# Altium PCB T1_Card.PcbDoc (part 4 of 6) (continued)
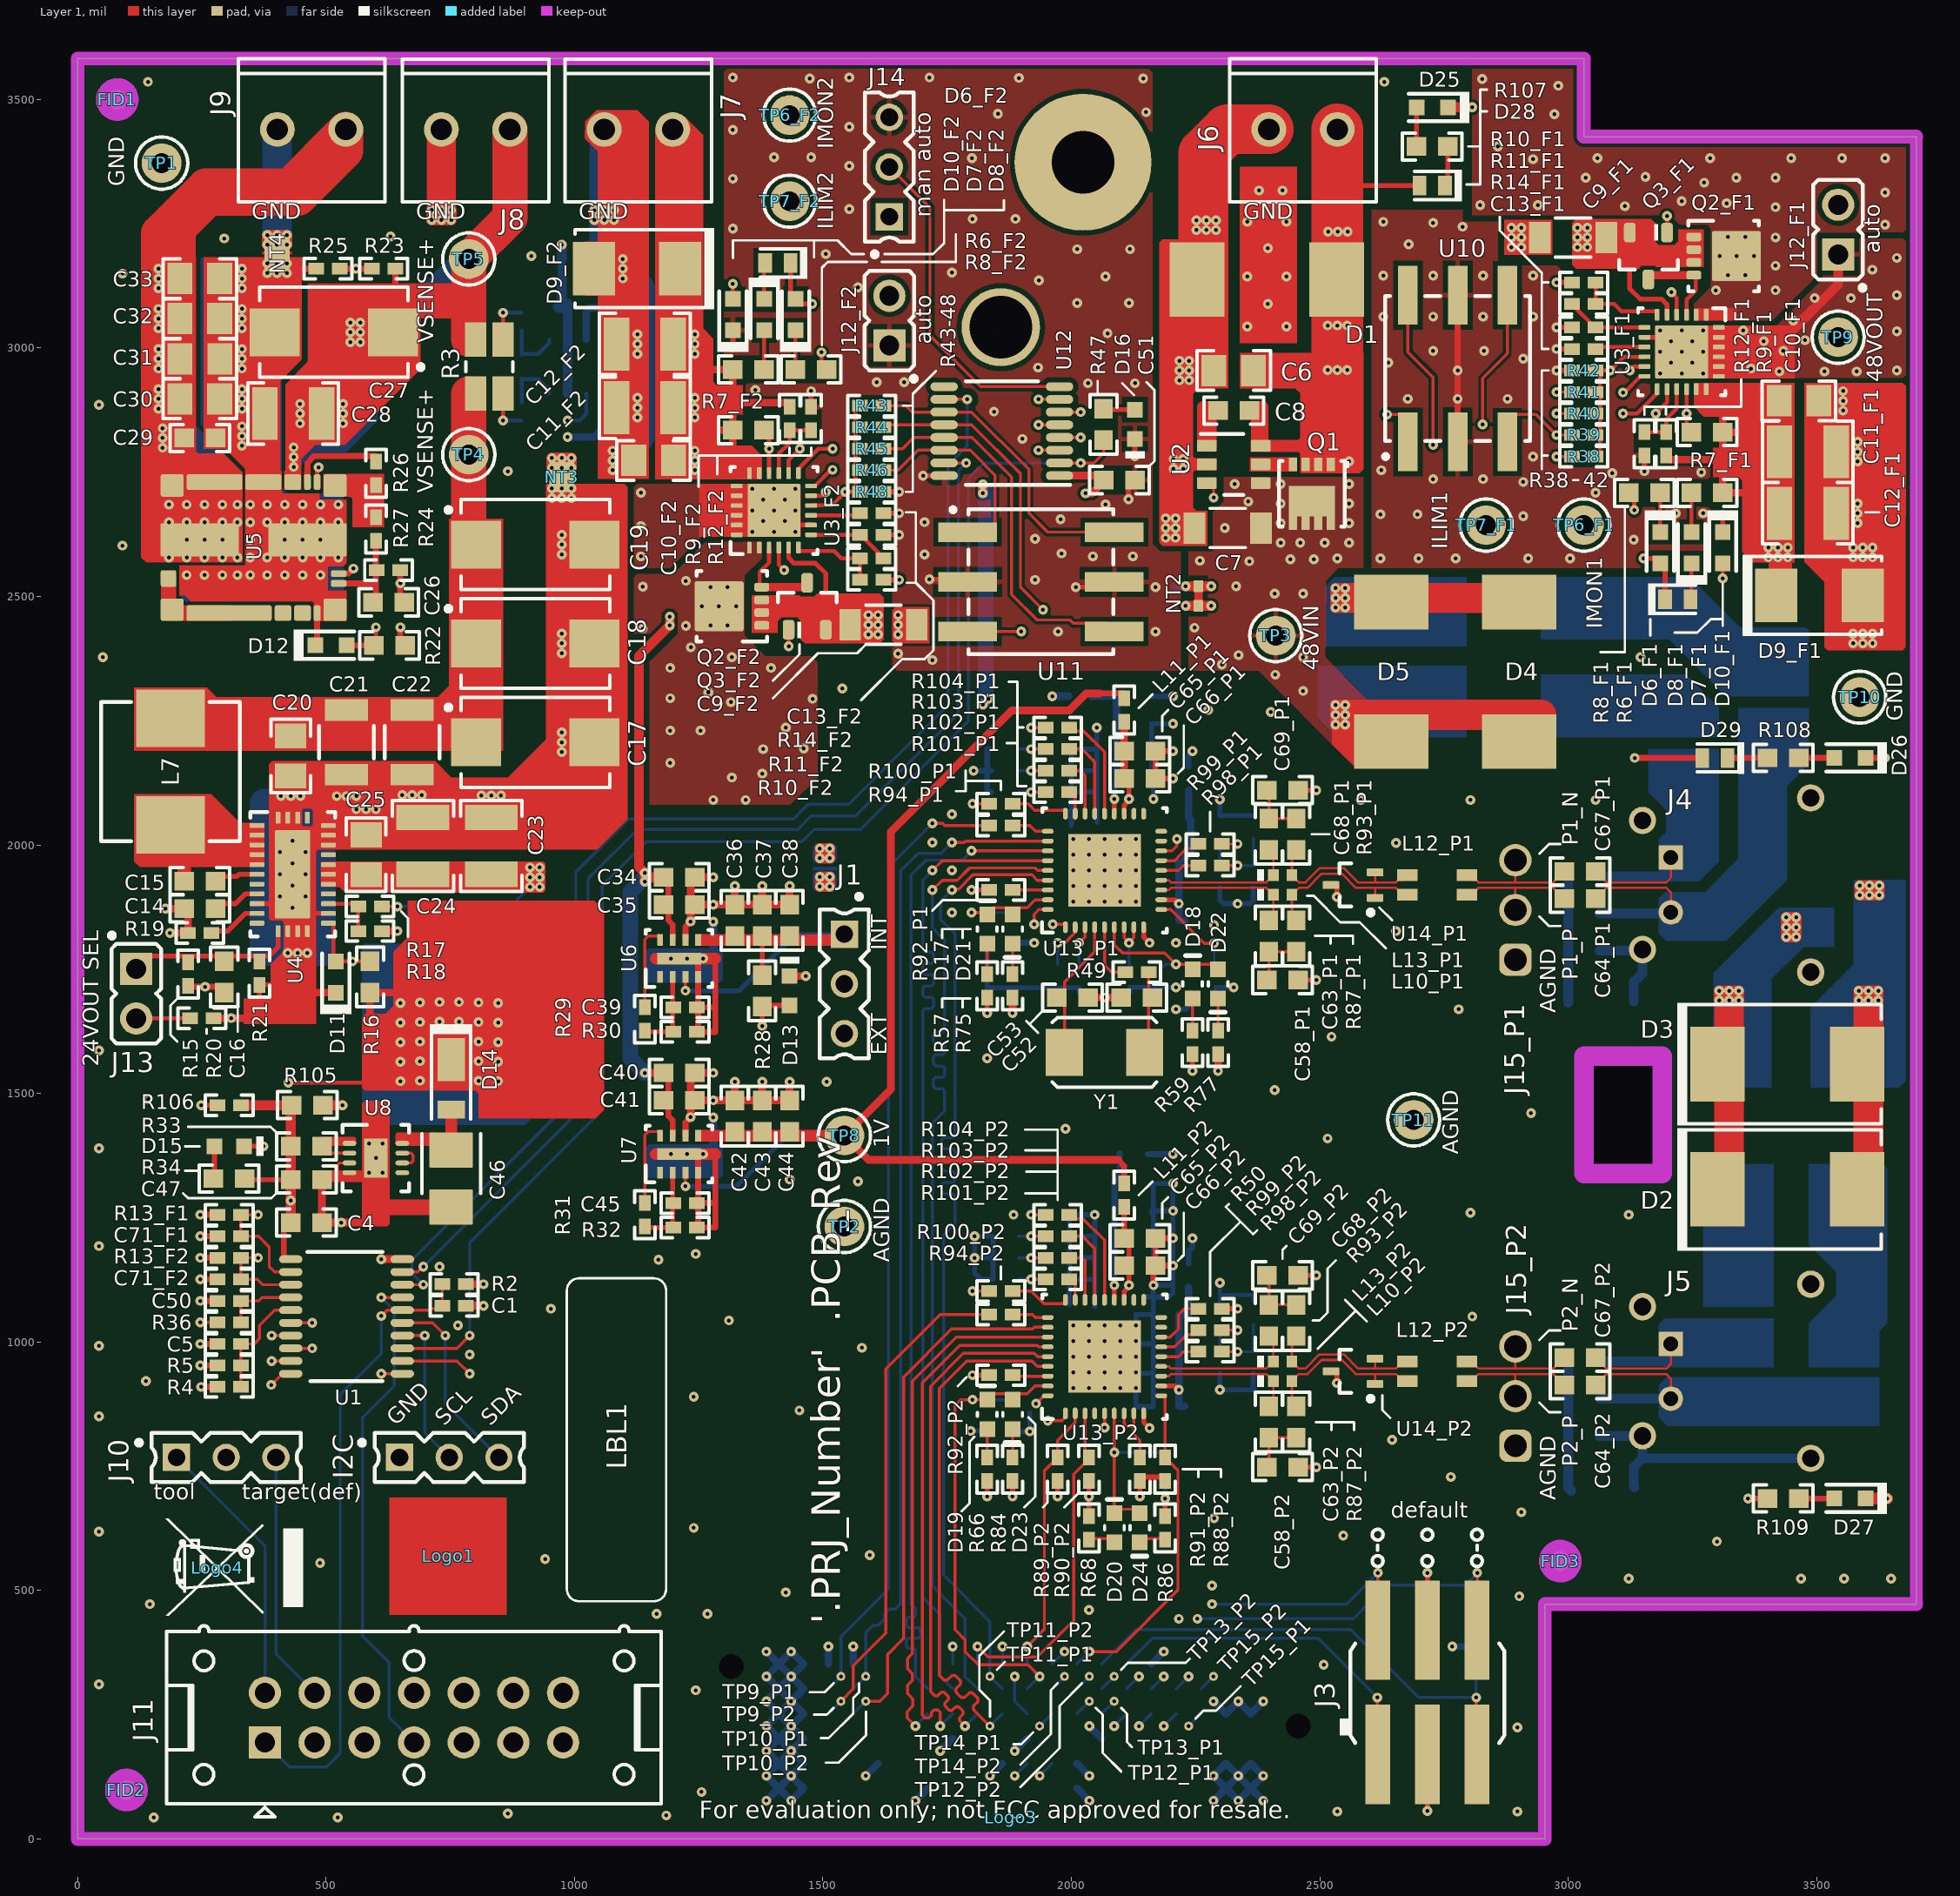
[diagram p0: Layer 1 view]
## Nets (pads, with @x,y where several pads share a name; then routed paths per layer and width w, separated by ;. In a path a pad name is that pad's centre, name@x,y a point inside that pad or via, vN(x,y) a via of type N, cw(c..) or ccw(c..) an arc to the next point about the centre after c; other vN are vias at no path point) (continued)
  Layer 3 w6: v1(1934.06,2845.47) 1935.04,2846.46 v1(2827.76,2846.46) 2954.72,2846.46 v1(2976.38,2868.11)
I1_4: R41.1 U10.1 U12.6 | length 1149.1
  Layer 1 w6: U12.6@1976.38,2871.06 v1(2018.7,2871.06) ; v1(2635.83,2866.14) 2677.56,2866.14 U10.1@2677.56,2811.02 ; v1(2976.38,2911.42) R41.1@3007.87,2911.42
  Layer 3 w6: v1(2018.7,2871.06) 2040.35,2871.06 2045.28,2866.14 v1(2635.83,2866.14) 2931.1,2866.14 v1(2976.38,2911.42)
I1_5: R43.1 U11.8 U12.11 | length 621.8
  Layer 1 w6: R43.1@1622.05,2883.86 1667.32,2883.86 1680.12,2871.06 U12.11@1744.09,2871.06 1799.21,2871.06 1914.37,2755.91 1914.37,2667.32 1952.17,2629.53 U11.8@2086.61,2629.53
I1_6: R44.1 U11.4 U12.12 | length 780.8
  Layer 1 w6: R44.1@1622.05,2840.55 1626.97,2845.47 U12.12@1744.09,2845.47 1799.21,2845.47 1897.64,2747.05 1897.64,2518.9 v1(1943.11,2473.43) ; U11.4@1791.34,2429.53 v1(1899.21,2429.53)
  Layer 3 w6: v1(1899.21,2429.53) v1(1943.11,2473.43)
I1_7: R45.1 U11.2 U12.13 | length 774
  Layer 1 w6: R45.1@1622.05,2797.24 1660.43,2797.24 1683.07,2819.88 U12.13@1744.09,2819.88 1800.2,2819.88 1879.92,2740.16 1879.92,2503.94 1931.1,2452.76 1997.05,2452.76 2003.94,2445.87 2070.28,2445.87 U11.2@2086.61,2429.53
I1_8: R46.1 U11.1 U12.14 | length 431.6
  Layer 1 w6: R46.1@1622.05,2753.94 1651.57,2753.94 1691.93,2794.29 U12.14@1744.09,2794.29 1796.26,2794.29 1846.46,2744.09 1846.46,2638.78 1831.69,2638.78 1831.69,2629.53 U11.1@1791.34,2629.53
I2C_SCL0: I2C.2 J2.50 U1.14 | length 2029.8
  Layer 1 w6: U1.14@653.54,1012.8 v1(698.82,1012.8)
  Layer 3 w4.55: I2C.2@748.03,767.72 804.84,710.91 1370.79,710.91 1468.5,613.19 1468.5,267.75 1545.3,190.94 1635.86,190.94 1733.3,93.5 1902.72,93.5 v1(1936.22,127)
  Layer 6 w6: v1(698.82,1012.8) 698.82,816.93 I2C.2@748.03,767.72 ; v1(1936.22,127) J2.50@1961.22,152
I2C_SDA0: I2C.3 J2.56 U1.15 | length 1946.2
  Layer 1 w6: U1.15@653.54,1038.39 714.57,1038.39 v1(740.16,1012.8)
  Layer 3 w4.55: I2C.3@848.03,767.72 894.29,721.46 1376.94,721.46 1480.32,618.08 1480.32,272.64 1550.2,202.76 1640.75,202.76 1738.19,105.32 1864.54,105.32 v1(1886.22,127)
  Layer 6 w6: v1(740.16,1012.8) 740.16,875.59 I2C.3@848.03,767.72 ; v1(1886.22,127) J2.56@1911.22,152
ILIM1: R38.2 R39.2 R40.2 R41.2 R42.2 TP7_F1.1 U3_F1.10 | length 743.4
  Layer 1 w8: R38.2@3055.12,2781.5 3063.98,2781.5 3063.98,2868.11 R42.2@3063.98,2954.72 ; R42.2@3055.12,2954.72 R42.2@3063.98,2954.72 ; U3_F1.10@3153.54,2982.28 3112.2,2982.28 v1(3084.65,2954.72) R42.2@3063.98,2954.72
  Layer 3 w6: TP7_F1.1@2834.65,2643.7 2874.02,2683.07 2937.01,2683.07 3046.26,2792.32 3046.26,2916.34 v1(3084.65,2954.72)
ILIM2: R43.2 R44.2 R45.2 R46.2 R48.2 TP7_F2.1 U3_F2.10 | length 923
  Layer 1 w8: U3_F2.10@1476.38,2683.07 1517.72,2683.07 v1(1545.28,2710.63) R48.2@1565.94,2710.63 ; R48.2@1574.8,2710.63 R48.2@1565.94,2710.63 ; R43.2@1574.8,2883.86 1565.94,2883.86 R48.2@1565.94,2710.63
  Layer 3 w8: TP7_F2.1@1433.07,3295.28 1545.28,3183.07 v1(1545.28,2710.63)
ILIM_GND: C13_F1.2 C13_F2.2 C51.2 D10_F1.1 D10_F2.1 D16.2 J12_F1.1 J12_F2.1 J14.3 NT2.1 R12_F1.1 R12_F2.1 R14_F1.1 R14_F2.1 R42.1 R48.1 U3_F1.8 U3_F1.19 U3_F1.20 U3_F1.21 U3_F1.22 U3_F1.23 U3_F1.24 U3_F1.25@3228.35,2992.13 U3_F2.8 U3_F2.19 U3_F2.20 U3_F2.21 U3_F2.22 U3_F2.23 U3_F2.24 U3_F2.25@1401.57,2673.23 U10.C1 U10.C2 U11.C1 U11.C2 U12.16 | length 1836.4
  Layer 1 w7.87: v1(3228.35,2992.13) v1(3250,2970.47) v1(3271.65,2948.82) 3277.56,2942.91 U3_F1.19@3303.15,2942.91 U3_F1.20@3303.15,2962.6 U3_F1.21@3303.15,2982.28 U3_F1.22@3303.15,3001.97 U3_F1.23@3303.15,3021.65 U3_F1.24@3303.15,3041.34 3277.56,3041.34 v1(3271.65,3035.43) v1(3250,3013.78) v1(3228.35,2992.13)
  Layer 1 w9.5: v1(1401.57,2673.23) 1431.1,2643.7 U3_F2.8@1476.38,2643.7 ; U3_F1.8@3153.54,3021.65 3198.82,3021.65 v1(3206.69,3013.78) v1(3228.35,2992.13)
  Layer 1 w9.84: v1(1701.77,2743.11) U12.16@1744.09,2743.11 ; v1(1714.57,2534.45) 1786.42,2534.45 U11.C1@1791.34,2529.53 ; v1(2008.86,2518.7) 2075.79,2518.7 U11.C2@2086.61,2529.53 ; v1(2127.95,2782.48) D16.2@2127.95,2816.93
  Layer 1 w10: v1(1318.9,3001.97) D10_F2.1@1318.9,3035.43 ; R12_F2.1@1476.38,2881.89 v1(1476.38,2913.39) ; R14_F2.1@1622.05,2624.02 v1(1653.54,2624.02) ; C13_F2.2@1622.05,2667.32 v1(1653.54,2667.32) ; R48.1@1622.05,2710.63 v1(1653.54,2710.63) ; v1(2976.38,2954.72) R42.1@3007.87,2954.72 ; v1(2976.38,2998.03) C13_F1.2@3007.87,2998.03 ; v1(2976.38,3041.34) R14_F1.1@3007.87,3041.34 ; v1(3153.54,2751.97) R12_F1.1@3153.54,2783.46 ; D10_F1.1@3311.02,2629.92 v1(3311.02,2663.39)
  Layer 1 w11.81: v1(2115.16,2695.87) 2115.16,2734.25 C51.2@2127.95,2734.25 ; U10.C1@2777.56,2811.02 v1(2777.56,2954.72) U10.C2@2777.56,3106.3
  Layer 1 w19.68: v1(2230.32,2520.67) NT2.1@2255.91,2520.67 v1(2281.5,2520.67) ; 3445.87,2989.17 3445.87,3030.51 3543.31,3127.95 J12_F1.1@3543.31,3188.19
  Layer 2 w15.75: 3480.31,3125.2 J12_F1.1@3543.31,3188.19 3543.31,3118.11
  Layer 6 w19.68: 2209.65,2520.67 v1(2230.32,2520.67)
  other v1: 1720.47,2372.05 1651.57,2384.84 1973.43,2429.13 2169.29,2429.13 2169.29,2518.7 1927.17,2533.46 2622.05,2576.77 2698.82,2576.77 2773.62,2576.77 2919.29,2576.77 3003.94,2576.77 1133.86,2580.71 2043.31,2580.71 2124.02,2580.71 1704.72,2584.65 1980.32,2586.61 3131.89,2614.17 1927.17,2616.14 1358.27,2629.92 1401.57,2629.92 1444.88,2629.92 1133.86,2641.73 1704.72,2649.61 1379.92,2651.57 1423.23,2651.57 1978.35,2655.51 2909.45,2661.42 2622.05,2665.35 2696.85,2665.35 3216.54,2667.32 3271.65,2667.32 1358.27,2673.23 1444.88,2673.23 2068.9,2685.04 1379.92,2694.88 1423.23,2694.88 1133.86,2708.66 3055.12,2708.66 1358.27,2716.54 1401.57,2716.54 1444.88,2716.54 2909.45,2730.31 2728.35,2736.22 2828.74,2736.22 3088.58,2748.03 3267.72,2750 2624.02,2753.94 2929.13,2781.5 1901.57,2816.93 1844.49,2872.05 2677.17,2897.64 2777.56,2897.64 2877.95,2897.64 1364.17,2915.35 2033.46,2929.13 2127.95,2929.13 1608.27,2931.1 1663.39,2931.1 3185.04,2948.82 3228.35,2948.82 3425.2,2952.76 3515.75,2952.76 3580.71,2952.76 3661.42,2954.72 3368.11,2958.66 1933.07,2960.63 2637.8,2970.47 3206.69,2970.47 2909.45,2978.35 3185.04,2992.13 3271.65,2992.13 2728.35,2994.09 2830.71,2994.09 3433.07,2994.09 3393.7,3013.78 3476.38,3015.75 2072.83,3029.53 3661.42,3033.46 3185.04,3035.43 3228.35,3035.43 3352.36,3035.43 2354.33,3043.31 2433.07,3043.31 3452.76,3055.12 2627.95,3062.99 2728.35,3062.99 2828.74,3062.99 2929.13,3062.99 2395.67,3088.58 2011.81,3090.55 2116.14,3090.55 3496.06,3100.39 3568.9,3100.39 3661.42,3106.3 1570.87,3122.05 1935.04,3135.83 2068.9,3143.7 2354.33,3143.7 2433.07,3143.7 2627.95,3145.67 2728.35,3145.67 2828.74,3145.67 2929.13,3145.67 1759.84,3151.57 3612.2,3157.48 3661.42,3181.1 1505.91,3188.98 2011.81,3198.82 2118.11,3198.82 2395.67,3200.79 2679.13,3208.66 1318.9,3240.16 2787.4,3244.09 2728.35,3251.97 2354.33,3253.94 2433.07,3253.94 2627.95,3253.94 1801.18,3259.84 1887.8,3259.84 1553.15,3279.53 2377.95,3316.93 2425.2,3316.93 1318.9,3340.55 1553.15,3366.14 1800.2,3381.89 1401.57,3383.86 1476.38,3383.86 1318.9,3438.98 1553.15,3444.88 1852.36,3471.46 2150.59,3474.41 2629.92,3535.43 1473.43,3542.32 2144.68,3542.32 1894.68,3543.31 1318.9,3544.29 1553.15,3544.29 1714.57,3544.29
IMON1: C71_F1.1 R13_F1.2 TP6_F1.1 U1.2 U3_F1.13 | length 4610.6
  Layer 1 w6: v1(363.19,1255.91) R13_F1.2@328.74,1255.91 C71_F1.1@328.74,1212.6 364.17,1212.6 385.83,1190.94 385.83,1151.57 396.65,1140.75 U1.2@429.13,1140.75
  Layer 1 w8: v1(3110.24,2868.11) 3138.78,2868.11 3179.13,2908.46 U3_F1.13@3179.13,2917.32
  Layer 3 w6: v1(363.19,1255.91) 324.8,1217.52 324.8,979.33 366.14,937.99 554.13,937.99 772.64,1156.5 902.56,1156.5 1092.52,1346.46 1092.52,1705.71 1198.82,1812.01 1198.82,1936.42 1279.13,2016.73 1522.64,2016.73 1867.13,2361.22 2258.86,2361.22 2379.92,2482.28 2457.68,2482.28 2484.25,2455.71 2843.5,2455.71 TP6_F1.1@3031.5,2643.7
  Layer 3 w8: TP6_F1.1@3031.5,2643.7 3110.24,2722.44 v1(3110.24,2868.11)
IMON2: C71_F2.1 R13_F2.2 TP6_F2.1 U1.3 U3_F2.13 | length 3397.6
  Layer 1 w5.91: v1(363.19,1169.29) R13_F2.2@328.74,1169.29 C71_F2.1@328.74,1125.98 361.75,1125.98 372.57,1115.16 U1.3@429.13,1115.16
  Layer 1 w8: U3_F2.13@1450.79,2748.03 1450.79,2756.89 1491.14,2797.24 v1(1519.69,2797.24)
  Layer 3 w6: v1(363.19,1169.29) 510.83,1169.29 579.72,1238.19 863.19,1238.19 1007.87,1382.87 1007.87,1743.11 1087.6,1822.83 1087.6,1986.22 1469.49,2368.11 1469.49,2747.05 v1(1519.69,2797.24)
  Layer 3 w8: TP6_F2.1@1433.07,3468.5 1368.11,3403.54 1368.11,3272.64 1519.69,3121.06 v1(1519.69,2797.24)
IN+: R3.4 R35.1 | length 86.6
  Layer 1 w8: v1(856.3,2854.33) 856.3,2904.53
  Layer 6 w8: v1(856.3,2854.33) R35.1@892.72,2854.33
IN-: R3.3 R37.1 | length 86.6
  Layer 1 w8: 856.3,3020.67 v1(856.3,3070.87)
  Layer 6 w8: v1(856.3,3070.87) R37.1@892.72,3070.87
INA_GND: C48.2 NT9.2 U9.2 | length 258.7
  Layer 6 w19.68: C48.2@966.54,3082.68 C48.2@968.5,3080.71 C48.2@986.02,3080.71 ; C48.2@974.41,3082.68 NT9.2@974.41,3139.76 ; C48.2@986.02,3089.57 C48.2@986.02,3080.71 ; U9.2@986.22,2908.46 986.22,3080.71 C48.2@986.02,3080.71
LM10500_SGNDa: C39.2 NT7a.2 R30.1 U6.4 U6.9 | length 469.1
  Layer 1 w12: U6.9@1212.6,1771.65 v1(1226.77,1771.65) 1249.02,1771.65 U6.4@1249.02,1734.25 C39.2@1249.02,1673.23 ; C39.2@1246.06,1673.23 C39.2@1249.02,1673.23 ; 1283.46,1771.65 1283.46,1673.23 ; C39.2@1249.02,1673.23 1249.02,1624.02 1283.46,1624.02 1283.46,1673.23 ; C39.2@1249.02,1673.23 1283.46,1673.23
  Layer 1 w23.62: 1163.39,1771.65 v1(1194.49,1771.65) ; U6.9@1249.02,1771.65 1283.46,1771.65
  other v1: 1258.86,1771.65
LM10500_SGNDb: C45.2 NT7b.2 R32.1 U7.4 U7.9 | length 485.2
  Layer 1 w12: U7.9@1212.6,1377.95 v1(1226.77,1377.95) 1249.02,1377.95 U7.4@1249.02,1340.55 C45.2@1249.02,1279.53 ; C45.2@1246.06,1279.53 C45.2@1249.02,1279.53 ; 1283.46,1377.95 1283.46,1279.53 ; C45.2@1249.02,1279.53 1249.02,1230.31 1283.46,1230.31 1283.46,1279.53 ; C45.2@1249.02,1279.53 1283.46,1279.53
  Layer 1 w23.62: 1163.39,1377.95 v1(1194.49,1377.95) U7.9@1210.63,1377.95 ; U7.9@1249.02,1377.95 v1(1258.86,1377.95) 1283.46,1377.95
LMZM33603_GND: C27.2 C28.2 C29.2 C30.2 C31.2 C32.2 C33.2 D12.1 NT4.2 R25.1 U5.5 U5.14 U5.15 U5.18 | length 1993.1
  Layer 1 w11.81: D12.1@482.28,2401.57 482.28,2445.87
  Layer 1 w12: 441.93,3159.45 R25.1@480.32,3159.45 ; 482.28,2445.87 U5.14@482.28,2466.54
  Layer 1 w21.65: v1(330.71,2803.15) v1(330.71,2822.83) v1(330.71,2842.52) ; v1(330.71,2877.95) v1(330.71,2897.64) v1(330.71,2917.32) ; v1(330.71,2958.66) v1(330.71,2978.35) v1(330.71,2998.03) ; v1(330.71,3039.37) v1(330.71,3059.06) v1(330.71,3078.74) ; v1(330.71,3120.08) v1(330.71,3139.76) v1(330.71,3159.45) ; v1(381.89,3150.59) v1(401.57,3150.59) v1(421.26,3150.59) v1(421.26,3170.28) v1(401.57,3170.28) v1(381.89,3170.28) v1(381.89,3150.59)
  Layer 2 w21.65: v1(330.71,2803.15) v1(330.71,2822.83) v1(330.71,2842.52) ; v1(330.71,2877.95) v1(330.71,2897.64) v1(330.71,2917.32) ; v1(330.71,2958.66) v1(330.71,2978.35) v1(330.71,2998.03) ; v1(330.71,3039.37) v1(330.71,3059.06) v1(330.71,3078.74) ; v1(330.71,3120.08) v1(330.71,3139.76) v1(330.71,3159.45) ; v1(381.89,3150.59) v1(381.89,3170.28) v1(401.57,3170.28) v1(421.26,3170.28) v1(421.26,3150.59) v1(401.57,3150.59) v1(381.89,3150.59)
  Layer 3 w21.65: v1(330.71,2803.15) v1(330.71,2822.83) v1(330.71,2842.52) ; v1(330.71,2877.95) v1(330.71,2897.64) v1(330.71,2917.32) ; v1(330.71,2958.66) v1(330.71,2978.35) v1(330.71,2998.03) ; v1(330.71,3039.37) v1(330.71,3059.06) v1(330.71,3078.74) ; v1(330.71,3120.08) v1(330.71,3139.76) v1(330.71,3159.45) ; v1(381.89,3150.59) v1(401.57,3150.59) v1(421.26,3150.59) v1(421.26,3170.28) v1(401.57,3170.28) v1(381.89,3170.28) v1(381.89,3150.59)
  Layer 4 w21.65: v1(330.71,2803.15) v1(330.71,2822.83) v1(330.71,2842.52) ; v1(330.71,2877.95) v1(330.71,2897.64) v1(330.71,2917.32) ; v1(330.71,2958.66) v1(330.71,2978.35) v1(330.71,2998.03) ; v1(330.71,3039.37) v1(330.71,3059.06) v1(330.71,3078.74) ; v1(330.71,3120.08) v1(330.71,3139.76) v1(330.71,3159.45) ; v1(381.89,3150.59) v1(401.57,3150.59) v1(421.26,3150.59) v1(421.26,3170.28) v1(401.57,3170.28) v1(381.89,3170.28) v1(381.89,3150.59)
  Layer 5 w21.65: v1(330.71,2803.15) v1(330.71,2822.83) v1(330.71,2842.52) ; v1(330.71,2877.95) v1(330.71,2897.64) v1(330.71,2917.32) ; v1(330.71,2958.66) v1(330.71,2978.35) v1(330.71,2998.03) ; v1(330.71,3039.37) v1(330.71,3059.06) v1(330.71,3078.74) ; v1(330.71,3120.08) v1(330.71,3139.76) v1(330.71,3159.45) ; v1(381.89,3150.59) v1(401.57,3150.59) v1(421.26,3150.59) v1(421.26,3170.28) v1(401.57,3170.28) v1(381.89,3170.28) v1(381.89,3150.59)
  Layer 6 w21.65: v1(330.71,2803.15) v1(330.71,2822.83) v1(330.71,2842.52) ; v1(330.71,2877.95) v1(330.71,2897.64) v1(330.71,2917.32) ; v1(330.71,2958.66) v1(330.71,2978.35) v1(330.71,2998.03) ; v1(330.71,3039.37) v1(330.71,3059.06) v1(330.71,3078.74) ; v1(330.71,3120.08) v1(330.71,3139.76) v1(330.71,3159.45) ; v1(381.89,3150.59) v1(381.89,3170.28) v1(401.57,3170.28) v1(421.26,3170.28) v1(421.26,3150.59) v1(401.57,3150.59) v1(381.89,3150.59)
  other v1: 417.32,2613.98 453.15,2613.98 488.98,2613.98
  other v2: 219.68,2543.11 255.51,2543.11 291.34,2543.11 321.85,2543.11 347.44,2543.11 381.5,2543.11 417.32,2543.11 453.15,2543.11 488.98,2543.11 347.44,2578.54 381.5,2578.54 417.32,2578.54 453.15,2578.54 488.98,2578.54 524.8,2578.54 347.44,2613.98 347.44,2649.41 381.5,2649.41 417.32,2649.41 453.15,2649.41 488.98,2649.41 524.8,2649.41 347.44,2684.84 381.5,2684.84 417.32,2684.84 453.15,2684.84 488.98,2684.84 524.8,2684.84
Local_1V: C42.1 C43.1 C44.1 L11_P1.1 L11_P2.1 TP8.1 U7.3 U7.5 | length 2554.5
  Layer 1 w6: v1(1223.43,1312.99) U7.3@1223.43,1340.55
  Layer 1 w11.81: 2057.09,2305.12 2106.3,2305.12 L11_P1.1@2106.3,2295.28 ; 2094.49,1366.14 2106.3,1354.33 L11_P2.1@2106.3,1318.9
  Layer 1 w15.75: 2057.09,2305.12 2030.51,2305.12 1996.06,2270.67 1880.91,2270.67 1636.81,2026.57 1636.81,1508.86 TP8.1@1543.31,1415.35 1592.52,1366.14 2094.49,1366.14
  Layer 1 w23.62: 1254.92,1415.35 C42.1@1322.83,1415.35 ; C42.1@1322.83,1423.23 C42.1@1322.83,1415.35 ; TP8.1@1543.31,1415.35 C42.1@1322.83,1415.35
  Layer 6 w9.84: v1(1223.43,1312.99) 1325.79,1312.99 1428.15,1415.35 TP8.1@1543.31,1415.35
Local_3V3: C36.1 C37.1 C38.1 J1.1 R28.2 U6.3 U6.5 | length 768.2
  Layer 1 w6: v1(1223.43,1706.69) U6.3@1223.43,1734.25
  Layer 1 w9.84: R28.2@1377.95,1738.19 C37.1@1377.95,1804.13
  Layer 1 w23.62: 1254.92,1809.06 C36.1@1322.83,1809.06 ; C36.1@1322.83,1816.93 C36.1@1322.83,1809.06 ; J1.1@1543.31,1820.47 1543.31,1809.06 C36.1@1322.83,1809.06
  Layer 6 w9.84: v1(1223.43,1706.69) 1331.69,1706.69 1445.47,1820.47 J1.1@1543.31,1820.47
Local_I: C50.1 R36.2 U1.4 | length 146.6
  Layer 1 w5.91: R36.2@328.74,1039.37 C50.1@328.74,1082.68 364.17,1082.68 371.06,1089.57 U1.4@429.13,1089.57
MSP_3V3: C4.1 C47.1 J10.2 R2.2 R33.1 R34.2 R105.2 R106.1 U1.1 | length 569.9
  Layer 1 w9.84: R34.2@336.61,1328.74 336.61,1326.77 C47.1@429.13,1326.77
  Layer 1 w11.81: U1.1@429.13,1166.34 415.35,1166.34 415.35,1240.16 C4.1@429.13,1240.16
  Layer 1 w15: R2.2@781.5,1116.14 v1(816.93,1116.14)
  Layer 1 w15.75: R105.2@429.13,1476.38 R105.2@431.1,1476.38
  Layer 1 w19.68: R106.1@328.74,1476.38 429.13,1476.38 R33.1@429.13,1393.7 C47.1@429.13,1326.77 C4.1@429.13,1240.16
  other v1: 429.13,1284.45
NetC5_1: C5.1 R4.1 R5.2 U1.5 | length 230.7
  Layer 1 w6: R4.1@328.74,909.45 R5.2@328.74,952.76 C5.1@328.74,996.06 355.31,996.06 366.14,1006.89 366.14,1033.46 396.65,1063.98 U1.5@429.13,1063.98
NetC8_1: C8.1 U2.1 | length 187
  Layer 1 w23.62: U2.1@2264.76,2803.15 2264.76,2880.91 2280.51,2880.91 2280.51,2803.15 U2.1@2272.64,2803.15 U2.1@2264.76,2803.15
NetC13_F1_1: C13_F1.1 U3_F1.9 | length 102.6
  Layer 1 w8: C13_F1.1@3055.12,2998.03 3055.12,3001.97 3111.7,3001.97 3111.86,3002.13 3153.54,3002.13 U3_F1.9@3153.54,3001.97
NetC13_F2_1: C13_F2.1 U3_F2.9 | length 102.6
  Layer 1 w8: U3_F2.9@1476.38,2663.39 1476.38,2663.23 1518.06,2663.23 1518.22,2663.39 1574.8,2663.39 C13_F2.1@1574.8,2667.32
NetC14_1: C14.1 U4.8 | length 95.9
  Layer 1 w9.84: C14.1@277.56,1872.05 287.4,1881.89 317.91,1881.89 337.6,1901.57 U4.8@361.22,1901.57
NetC15_1: C15.1 L7.1 U4.1 U4.2 U4.3 U4.4 U4.5 | length 124.6
  Layer 1 w27.56: L7.1@187.01,2040.35 214.57,2012.8 C15.1@214.57,1927.17
NetC15_2: C15.2 U4.6 | length 89.4
  Layer 1 w9.84: C15.2@277.56,1927.17 287.4,1937.01 320.87,1937.01 324.8,1940.94 U4.6@361.22,1940.94
NetC16_2: C16.2 J13.1 R15.1 R21.2 U4.12 | length 335.9
  Layer 1 w10: J13.1@118.11,1750.79 143.9,1776.57 385.83,1776.57 403.54,1794.29 U4.12@403.54,1826.77
NetC26_2: C26.2 R24.1 R27.2 U5.16 | length 204.7
  Layer 1 w11.81: 546.26,2526.38 600.39,2526.38
  Layer 1 w12: U5.16@525.59,2526.38 546.26,2526.38 ; C26.2@594.49,2488.19 600.39,2488.19 600.39,2526.38 R27.2@600.39,2612.2
NetC39_1: C39.1 R29.1 R30.2 U6.2 | length 169.3
  Layer 1 w9.84: R29.1@1141.73,1625.98 1141.73,1624.02 R30.2@1197.83,1624.02 ; U6.2@1197.83,1734.25 R30.2@1197.83,1624.02 ; R30.2@1198.82,1624.02 R30.2@1197.83,1624.02
NetC45_1: C45.1 R31.1 R32.2 U7.2 | length 169.3
  Layer 1 w9.84: R31.1@1141.73,1232.28 1141.73,1230.31 R32.2@1197.83,1230.31 ; U7.2@1197.83,1340.55 R32.2@1197.83,1230.31 ; R32.2@1198.82,1230.31 R32.2@1197.83,1230.31
NetC46_1: C46.1 D14.2 U8.8 | length 386.5
  Layer 1 w9.84: C46.1@751.97,1386.22 751.97,1408.46 C46.1@720.47,1408.46 ; U8.8@649.61,1399.61 649.61,1408.46 C46.1@720.47,1408.46 ; U8.8@649.61,1399.61 U8.8@653.54,1399.61 720.47,1399.61 C46.1@720.47,1408.46 ; U8.8@649.61,1399.61 644.68,1399.61 644.68,1416.34 720.47,1416.34 C46.1@720.47,1408.46
  Layer 1 w23.62: D14.2@751.97,1467.52 752.08,1467.52 C46.1@752.08,1399.61
NetC48_1: C48.1 R106.2 U9.5 | length 2156.2
  Layer 1 w10: v1(249.02,1476.38) R106.2@281.5,1476.38
  Layer 3 w12: v1(249.02,1476.38) 345.47,1572.83 345.47,1625.98 783.46,2063.98 783.46,2194.88 941.93,2353.35 941.93,2435.04 1025.59,2518.7 1025.59,2781.5 v1(986.22,2820.87)
  Layer 6 w15: v1(986.22,2820.87) 1040.35,2820.87 1082.68,2863.19 1082.68,3065.94 1067.91,3080.71 C48.1@1031.5,3080.71 1023.62,3072.83 U9.5@1023.62,3016.73
NetC49_1: C49.1 R35.2 U9.3 | length 121
  Layer 6 w8: R35.2@893.7,2889.76 C49.1@893.7,2938.98 895.67,2937.01 927.17,2937.01 948.82,2915.35 U9.3@948.82,2908.46
NetC49_2: C49.2 R37.2 U9.4 | length 121
  Layer 6 w8: R37.2@893.7,3035.43 C49.2@893.7,2986.22 895.67,2988.19 927.17,2988.19 948.82,3009.84 U9.4@948.82,3016.73
NetC53_1: C53.1 R49.2 Y1.2 | length 164.7
  Layer 1 w6: Y1.2@2147.64,1582.68 2155.51,1590.55 R49.2@2155.51,1744.09
NetC58_P1_2: C58_P1.2 C63_P1.1 R87_P1.2 | length 116.1
  Layer 1 w6: C58_P1.2@2393.7,1728.35 2397.64,1728.35 C63_P1.1@2397.64,1785.43 R87_P1.2@2452.76,1785.43
NetC58_P2_2: C58_P2.2 C63_P2.1 R87_P2.2 | length 118.1
  Layer 1 w6: C58_P2.2@2393.7,748.03 2397.64,748.03 C63_P2.1@2397.64,807.09 R87_P2.2@2452.76,807.09
NetC59_P1_1: C59_P1.1 C60_P1.1 C61_P1.1 C62_P1.1 L9_P1.2 U13_P1.11 | length 311
  Layer 1 w9.5: U13_P1.11@2181.1,1889.76 2208.66,1889.76 v1(2216.54,1881.89)
  Layer 6 w15: C60_P1.1@2216.54,1964.57 v1(2216.54,1881.89) 2216.54,1848.43 C62_P1.1@2228.35,1848.43 ; C60_P1.1@2228.35,1972.44 2240.16,1984.25 2240.16,2050.2 2236.22,2054.13 L9_P1.2@2236.22,2110.24
NetC59_P2_1: C59_P2.1 C60_P2.1 C61_P2.1 C62_P2.1 L9_P2.2 U13_P2.11 | length 310.3
  Layer 1 w9.5: U13_P2.11@2181.1,911.42 2208.66,911.42 v1(2216.54,903.54)
  Layer 6 w15: C62_P2.1@2228.35,870.08 2216.54,870.08 v1(2216.54,903.54) 2216.54,1055.12 C59_P2.1@2228.35,1055.12 2236.22,1055.12 L9_P2.2@2236.22,1110.24
NetC65_P1_1: C65_P1.1 C66_P1.1 L11_P1.2 U13_P1.9 U13_P1.21 | length 536.1
  Layer 1 w10: U13_P1.21@2106.3,2062.99 2106.3,2079.72 2116.14,2089.57 v1(2116.14,2092.52) 2116.14,2124.02 C66_P1.1@2106.3,2133.86 ; U13_P1.9@2145.67,1834.65 2145.67,1814.96 v1(2157.48,1803.15)
  Layer 1 w15: C66_P1.1@2106.3,2133.86 C65_P1.1@2106.3,2188.98 L11_P1.2@2106.3,2248.03
  Layer 3 w19.68: v1(2116.14,2092.52) 2157.48,2051.18 v1(2157.48,1803.15)
NetC65_P2_1: C65_P2.1 C66_P2.1 L11_P2.2 U13_P2.9 U13_P2.21 | length 527.9
  Layer 1 w9.84: U13_P2.21@2106.3,1084.65 2106.3,1101.38 2116.14,1111.22 v1(2116.14,1114.17) 2116.14,1203.74 C65_P2.1@2114.17,1205.71
  Layer 1 w10: U13_P2.9@2145.67,856.3 2145.67,838.58 v1(2157.48,826.77)
  Layer 1 w11.81: C65_P2.1@2106.3,1208.66 L11_P2.2@2106.3,1271.65
  Layer 3 w19.68: v1(2116.14,1114.17) 2157.48,1072.83 v1(2157.48,826.77)
NetC68_P1_2: C68_P1.2 C69_P1.1 R93_P1.1 | length 118.1
  Layer 1 w6: C69_P1.1@2393.7,2110.24 2397.64,2110.24 C68_P1.2@2397.64,2051.18 ; C68_P1.2@2397.64,2053.15 R93_P1.1@2452.76,2053.15
NetC68_P2_2: C68_P2.2 C69_P2.1 R93_P2.1 | length 118.1
  Layer 1 w6: C69_P2.1@2393.7,1133.86 2397.64,1133.86 C68_P2.2@2397.64,1074.8 R93_P2.1@2452.76,1074.8
NetC70_P1_1: C70_P1.1 R95_P1.1 R96_P1.1 R97_P1.2 | length 253.9
  Layer 6 w20: R97_P1.2@3000,1683.07 C70_P1.1@3000,1787.4 R96_P1.1@3000,1862.2 R95_P1.1@3000,1937.01
NetC70_P2_1: C70_P2.1 R95_P2.1 R96_P2.1 R97_P2.2 | length 262.3
  Layer 6 w20: R95_P2.1@3000,960.63 R96_P2.1@3000,885.83 C70_P2.1@3000,811.02 3000,706.69 R97_P2.2@3005.91,700.79
NetD6_F1_2: D6_F1.2 D7_F1.1 | length 73.7
  Layer 1 w8: D6_F1.2@3246.06,2494.09 3248.03,2496.06 D7_F1.1@3248.03,2566.93
NetD6_F2_2: D6_F2.2 D7_F2.1 | length 70.9
  Layer 1 w8: D7_F2.1@1381.89,3098.43 D6_F2.2@1381.89,3169.29
NetD7_F1_2: D7_F1.2 R6_F1.2 | length 78.7
  Layer 1 w8: D7_F1.2@3248.03,2629.92 R6_F1.2@3248.03,2708.66
NetD7_F2_2: D7_F2.2 R6_F2.2 | length 78.7
  Layer 1 w8: R6_F2.2@1381.89,2956.69 D7_F2.2@1381.89,3035.43
NetD8_F1_1: D8_F1.1 R8_F1.2 | length 78.7
  Layer 1 w8: D8_F1.1@3185.04,2629.92 R8_F1.2@3185.04,2708.66
NetD8_F2_1: D8_F2.1 R8_F2.2 | length 78.7
  Layer 1 w8: R8_F2.2@1444.88,2956.69 D8_F2.1@1444.88,3035.43
NetD15_1: D15.1 R34.1 | length 66.9
  Layer 1 w9.84: R34.1@273.62,1328.74 275.59,1328.74 D15.1@275.59,1393.7
NetD16_1: D16.1 R47.1 | length 63.8
  Layer 1 w9.84: R47.1@2064.96,2877.95 2066.93,2875.98 D16.1@2127.95,2875.98
NetD17_1: D17.1 R57.1 | length 65
  Layer 1 w6: R57.1@1830.71,1740.16 D17.1@1830.71,1805.12
NetD18_1: D18.1 R59.1 | length 57.1
  Layer 1 w6: R59.1@2244.09,1629.92 D18.1@2244.09,1687.01
NetD19_1: D19.1 R66.1 | length 49.2
  Layer 1 w6: R66.1@1830.71,775.59 D19.1@1830.71,824.8
NetD20_1: D20.1 R68.1 | length 57.1
  Layer 1 w6: R68.1@2035.43,610.24 2035.43,604.33 D20.1@2086.61,604.33
NetD21_2: D21.2 R75.2 | length 65
  Layer 1 w6: R75.2@1881.89,1740.16 D21.2@1881.89,1805.12
NetD22_2: D22.2 R77.2 | length 57.1
  Layer 1 w6: R77.2@2295.28,1629.92 D22.2@2295.28,1687.01
NetD23_2: D23.2 R84.2 | length 49.2
  Layer 1 w6: R84.2@1881.89,775.59 D23.2@1881.89,824.8
NetD24_2: D24.2 R86.2 | length 60
  Layer 1 w6: D24.2@2137.8,604.33 R86.2@2188.98,604.33 ; R86.2@2188.98,601.38 R86.2@2188.98,604.33 ; R86.2@2188.98,610.24 R86.2@2188.98,604.33
NetD25_2: D25.2 R107.2 | length 78.7
  Layer 1 w9.84: R107.2@2694.88,3405.51 D25.2@2694.88,3484.25
NetD26_2: D26.2 R108.1 | length 70.9
  Layer 1 w11.81: R108.1@3464.57,2175.2 D26.2@3535.43,2175.2
NetD27_2: D27.2 R109.1 | length 70.9
  Layer 1 w11.81: R109.1@3464.57,685.04 D27.2@3535.43,685.04
NetD28_1: D28.1 R107.1 | length 81.2
  Layer 1 w9.84: D28.1@2751.97,3326.77 2757.87,3332.68 R107.1@2757.87,3405.51
NetD29_1: D29.1 R108.2 | length 80.7
  Layer 1 w11.81: D29.1@3320.87,2175.2 R108.2@3401.57,2175.2
NetJ2_36: J2.36 J3.1 | length 690.1
  Layer 1 w6: v1(2616.14,284.45) 2616.14,170.67 J3.1@2616.54,170.28
  Layer 6 w6: J2.36@2111.22,352 2163,403.78 2496.81,403.78 v1(2616.14,284.45)
NetJ2_42: J2.42 J3.5 R1.1 | length 1000.2
  Layer 1 w6: v1(2814.96,284.45) 2814.96,171.85 J3.5@2816.54,170.28
  Layer 6 w6: J2.42@2061.22,352 2130.44,421.22 2562.05,421.22 2698.82,284.45 v1(2814.96,284.45) R1.1@2814.96,330.71
NetJ10_1: J10.1 J11.2 | length 547.3
  Layer 6 w6: J10.1@199.21,767.72 377.17,589.76 J11.2@377.17,294.09
NetJ10_3: J10.3 J11.4 | length 505.9
  Layer 6 w6: J10.3@399.21,767.72 399.21,372.05 J11.4@477.17,294.09
NetJ12_F1_2: J12_F1.2 U3_F1.11 | length 704.8
  Layer 1 w8: v1(3124.02,2954.72) 3131.89,2962.6 U3_F1.11@3153.54,2962.6
  Layer 3 w8: v1(3124.02,2954.72) 3124.02,3055.12 3147.64,3078.74 3429.13,3078.74 3484.25,3133.86 3484.25,3229.13 J12_F1.2@3543.31,3288.19
NetJ12_F2_2: J12_F2.2 U3_F2.11 | length 544.5
  Layer 1 w8: U3_F2.11@1476.38,2702.76 1498.03,2702.76 v1(1505.91,2710.63)
  Layer 3 w8: v1(1505.91,2710.63) 1530.51,2686.02 1556.1,2686.02 1571.85,2701.77 1571.85,3043.11 J12_F2.2@1633.86,3105.12
NetJ13_2: J13.2 R20.2 | length 109.1
  Layer 1 w8: J13.2@118.11,1650.79 118.11,1651.57 R20.2@226.38,1651.57
NetJ14_2: J14.2 U12.8 | length 676.6
  Layer 1 w6: J14.2@1633.86,3364.17 1715.55,3282.48 1715.55,3024.61 1817.91,2922.24 U12.8@1976.38,2922.24
NetL1_1: L1.1 L3.3
NetL2_2: L2.2 L4.1
NetL3_2: L3.2 L5.1
NetL4_4: L4.4 L6.2
NetQ1_4: Q1.4 U2.5 | length 61
  Layer 1 w23.62: U2.5@2380.91,2765.75 Q1.4@2441.93,2765.75
NetQ2_F1_4: Q2_F1.4 Q3_F1.3 U3_F1.3 | length 180
  Layer 1 w8: U3_F1.3@3238.19,3066.93 3238.19,3097.44 3256.89,3116.14 Q2_F1.4@3256.89,3146.65
  Layer 1 w16.5: Q3_F1.3@3164.37,3146.65 Q2_F1.4@3252.95,3146.65 Q2_F1.4@3256.89,3146.65
NetQ2_F1_5: Q2_F1.5 Q2_F1.6 Q2_F1.7 Q2_F1.8 Q2_F1.9@3338.58,3185.04 U3_F1.1 U3_F1.2
  other v1: 3297.24,3116.14 3417.32,3116.14 3321.89,3146.65 3356.38,3146.65 3417.32,3165.35 3304.65,3185.04 3339.13,3185.04 3417.32,3222.44 3321.89,3223.43 3356.38,3223.43 3637.8,3248.03 3417.32,3283.46 3114.17,3285.43 2822.83,3287.4 2938.98,3287.4 3318.9,3291.34 3228.35,3295.28 3637.8,3312.99 3273.62,3332.68 3035.43,3342.52 3338.58,3342.52 3417.32,3342.52 3155.51,3344.49 2929.13,3379.92 3059.06,3381.89 3285.43,3381.89 3448.82,3381.89 3551.18,3381.89 3637.8,3381.89 2858.27,3405.51 2972.44,3470.47 2980.32,3527.56 2826.77,3541.34
  other v2: 3373.62,3185.04
NetQ2_F2_4: Q2_F2.4 Q3_F2.3 U3_F2.3 | length 180
  Layer 1 w8: Q2_F2.4@1373.03,2518.7 1373.03,2549.21 1391.73,2567.91 U3_F2.3@1391.73,2598.43
  Layer 1 w16.5: Q2_F2.4@1373.03,2518.7 Q2_F2.4@1376.97,2518.7 Q3_F2.3@1465.55,2518.7
NetQ2_F2_5: Q2_F2.5 Q2_F2.6 Q2_F2.7 Q2_F2.8 Q2_F2.9@1291.34,2480.31 U3_F2.1 U3_F2.2
  other v1: 1279.53,2090.55 1344.49,2090.55 1316.93,2135.83 1377.95,2143.7 1192.91,2165.35 1379.92,2192.91 1461.61,2193.9 1192.91,2230.31 1253.94,2230.31 1425.2,2236.22 1314.96,2287.4 1479.33,2294.29 1192.91,2295.28 1269.68,2307.09 1192.91,2356.3 1395.67,2356.3 1316.93,2377.95 1234.25,2397.64 1137.8,2435.04 1224.41,2440.94 1273.54,2441.93 1308.03,2441.93 1290.79,2480.31 1325.28,2480.31 1273.54,2518.7 1308.03,2518.7 1137.8,2519.68 1224.41,2531.5
  other v2: 1256.3,2480.31
NetQ3_F1_1: Q3_F1.1 U3_F1.4 | length 240.4
  Layer 1 w8: Q3_F1.1@3198.82,3232.28 v1(3198.82,3265.75) ; v1(3207.68,3112.2) 3218.5,3101.38 U3_F1.4@3218.5,3066.93
  Layer 3 w8: v1(3198.82,3265.75) 3198.82,3194.32 3207.68,3185.47 v1(3207.68,3112.2)
NetQ3_F2_1: Q3_F2.1 U3_F2.4 | length 240.4
  Layer 1 w8: U3_F2.4@1411.42,2598.43 1411.42,2563.98 v1(1422.24,2553.15) ; v1(1431.1,2399.61) Q3_F2.1@1431.1,2433.07
  Layer 3 w8: v1(1422.24,2553.15) 1431.1,2544.29 v1(1431.1,2399.61)
NetR8_F1_1: R8_F1.1 U3_F1.14 | length 309.4
  Layer 1 w8: R8_F1.1@3122.05,2708.66 3132.87,2697.83 v1(3132.87,2674.21) ; v1(3176.18,2868.11) 3198.82,2890.75 U3_F1.14@3198.82,2917.32
  Layer 3 w8: v1(3132.87,2674.21) 3132.87,2774.61 3176.18,2817.91 v1(3176.18,2868.11)
NetR8_F2_1: R8_F2.1 U3_F2.14 | length 309.4
  Layer 1 w8: U3_F2.14@1431.1,2748.03 1431.1,2774.61 v1(1453.74,2797.24) ; v1(1497.05,2991.14) 1497.05,2967.52 R8_F2.1@1507.87,2956.69
  Layer 3 w8: v1(1453.74,2797.24) 1453.74,2947.83 v1(1497.05,2991.14)
NetR9_F1_1: R9_F1.1 R12_F1.2 U3_F1.15 | length 138.9
  Layer 1 w8: R12_F1.2@3153.54,2830.71 R9_F1.1@3196.85,2830.71 3196.85,2856.3 3218.5,2877.95 U3_F1.15@3218.5,2917.32
NetR9_F2_1: R9_F2.1 R12_F2.2 U3_F2.15 | length 138.9
  Layer 1 w8: U3_F2.15@1411.42,2748.03 1411.42,2787.4 1433.07,2809.06 R9_F2.1@1433.07,2834.65 R12_F2.2@1476.38,2834.65
NetR10_F1_1: R10_F1.1 R11_F1.2 U3_F1.6 | length 176.4
  Layer 1 w8: R10_F1.1@3055.12,3127.95 R11_F1.2@3055.12,3088.58 3092.52,3088.58 3107.28,3073.82 3179.13,3073.82 U3_F1.6@3179.13,3066.93
NetR10_F2_1: R10_F2.1 R11_F2.2 U3_F2.6 | length 176.4
  Layer 1 w8: U3_F2.6@1450.79,2598.43 1450.79,2591.54 1522.64,2591.54 1537.4,2576.77 R11_F2.2@1574.8,2576.77 R10_F2.1@1574.8,2537.4